# KiCad board ergo56.kicad_pcb
date: 2024-01-04; rev: 0.2; company: github.com/LDAB
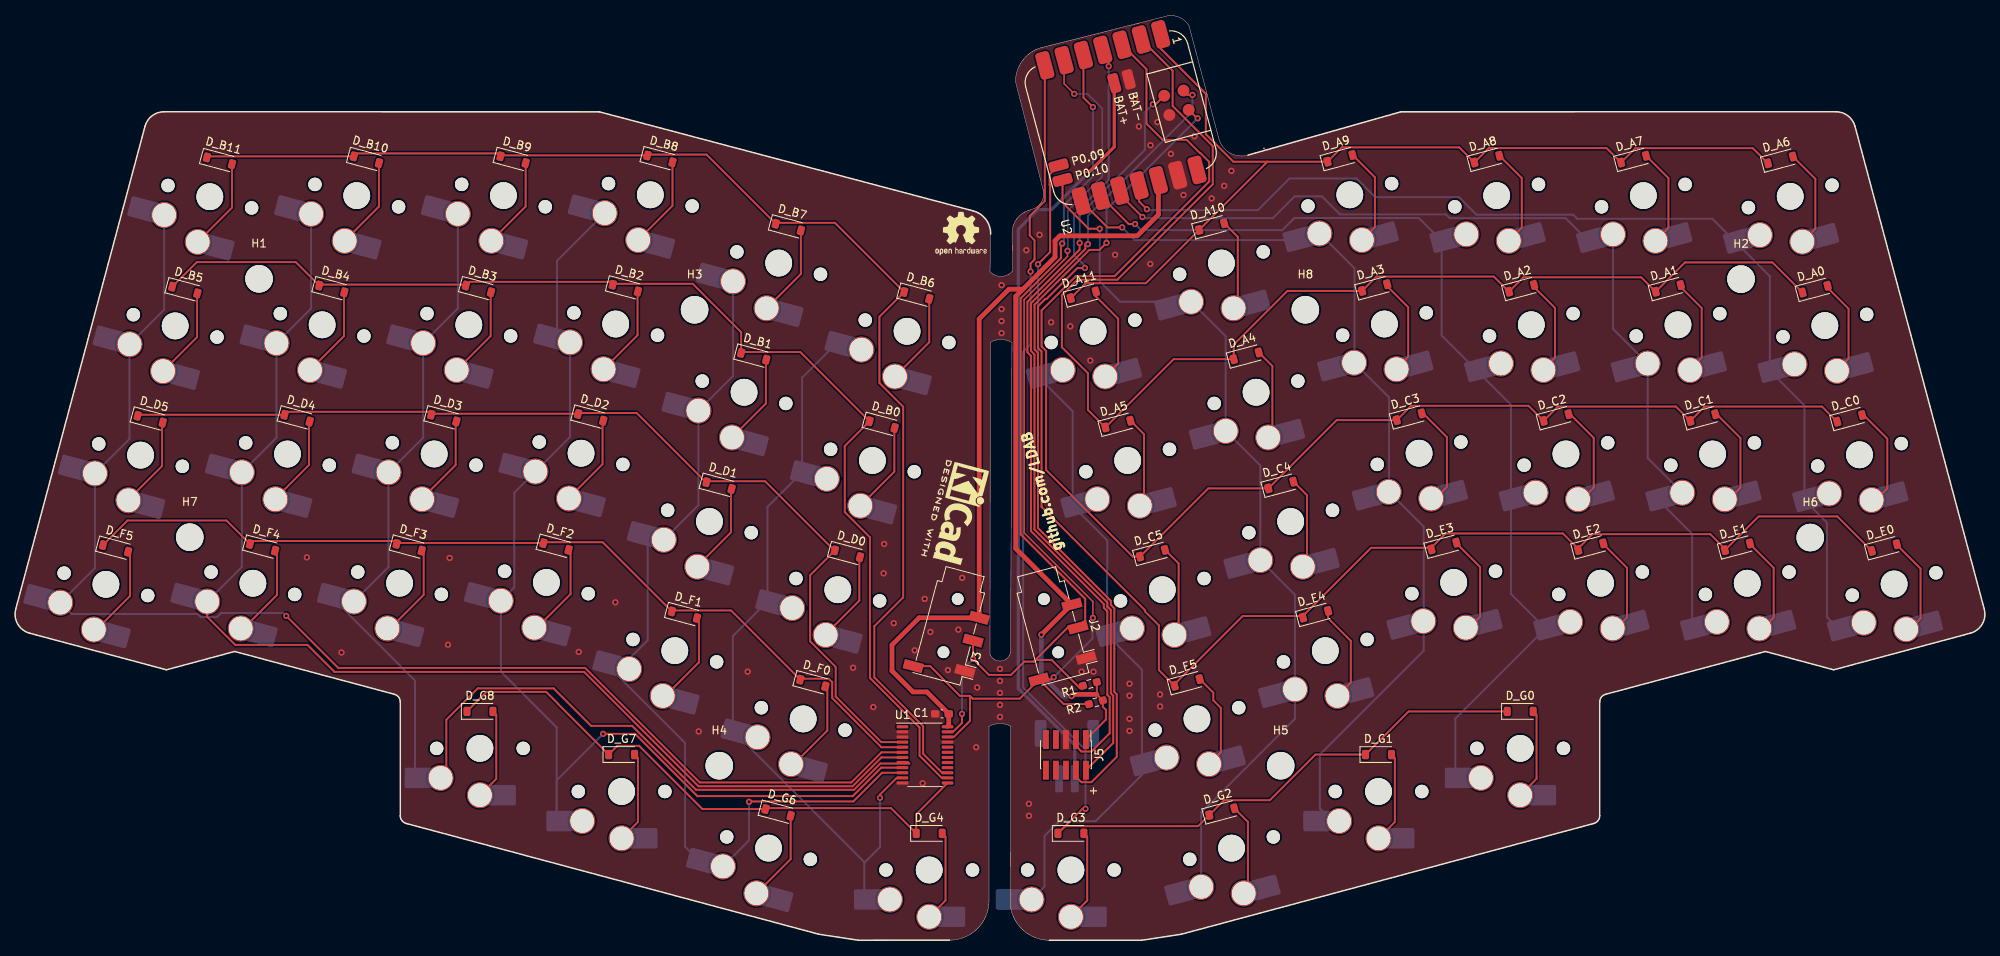
[diagram p0: board, top side]
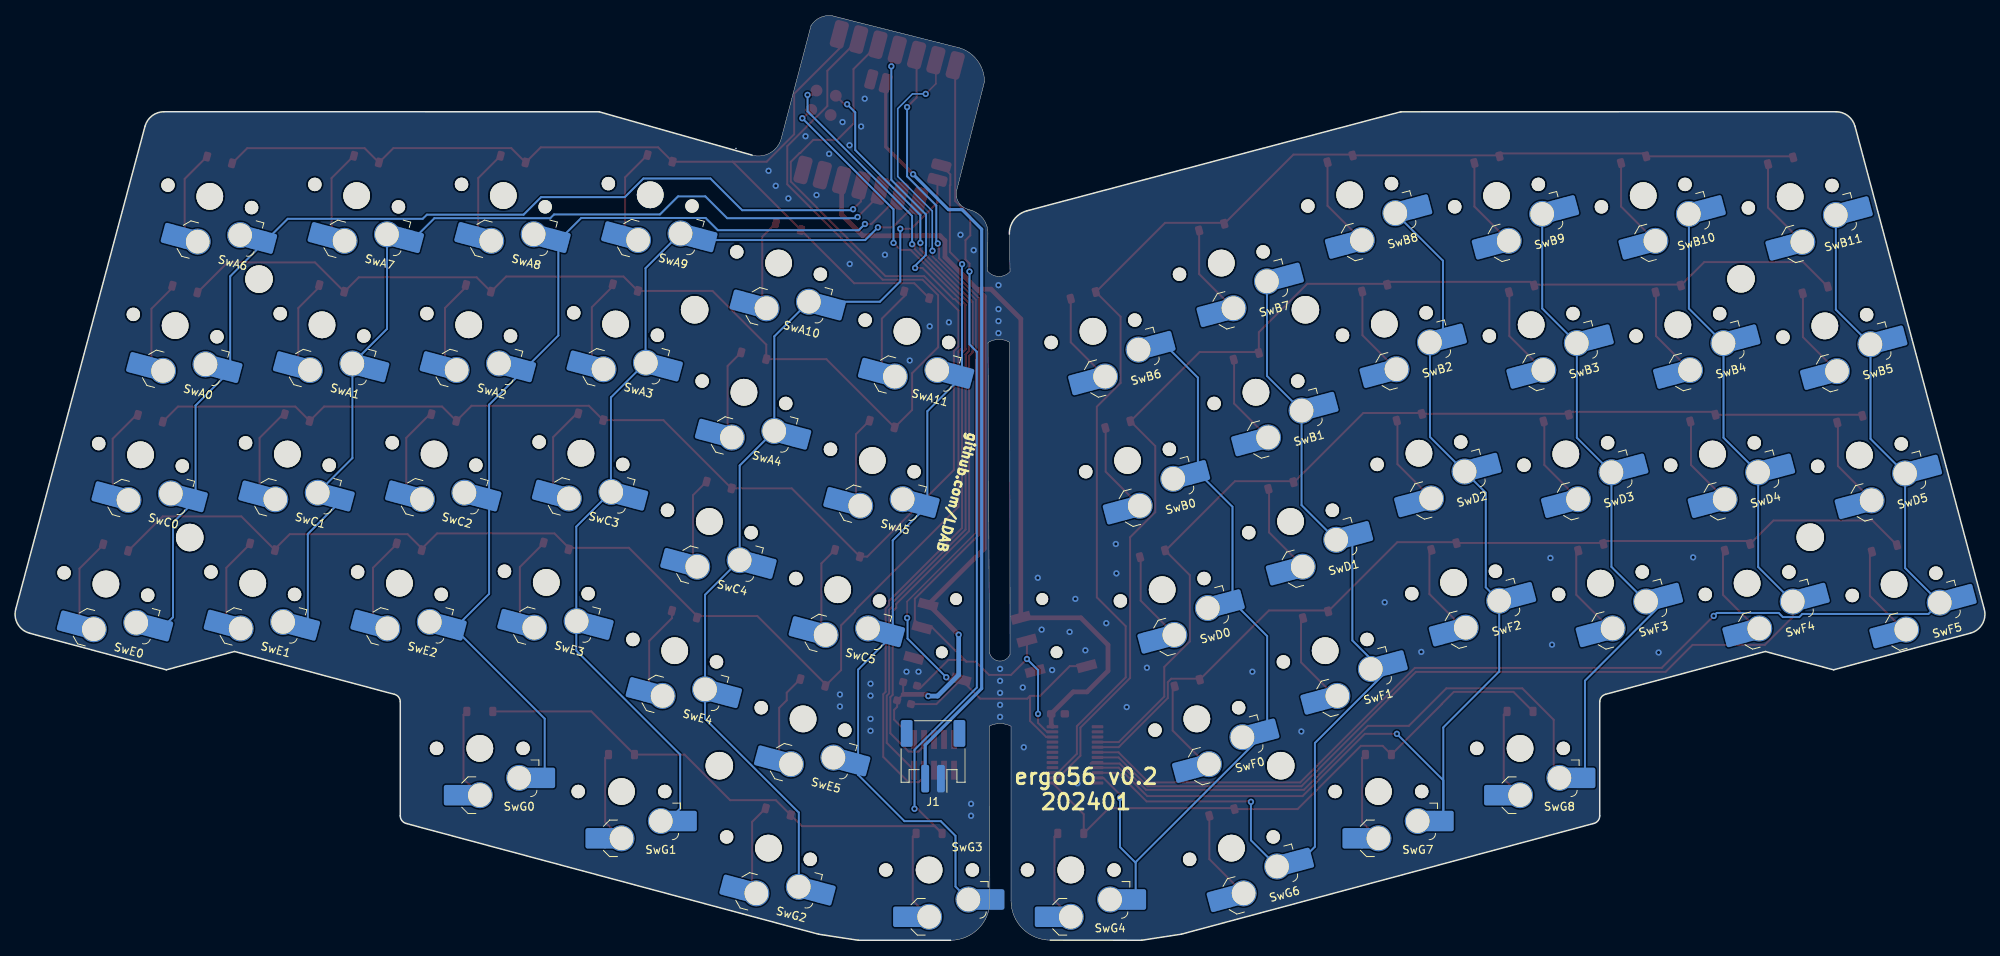
[diagram p1: board, bottom side, seen from below]

Outline 250.12 x 117.5 mm; copper layers: Top, Bottom. Coordinates in mm from the lower left corner of the outline.
Outline path: 0,42.09 16.42,103.44 arc(17.32,104.78) 18.84,105.3 74.13,105.29 121.64,92.7 arc(123.26,91.61) 123.87,89.75 123.78,84.98 arc(125.22,84.37) 126.63,85.05 126.6,89.88 arc(127.17,91.67) 128.7,92.76 129.22,92.93 arc(130.36,93.86) 130.55,95.33 127.03,109.11 arc(127.93,111.81) 130.26,113.43 146.39,117.5 arc(147.92,117.27) 149.07,116.23 152.85,101.91 arc(154.26,100.07) 156.57,99.79 175.99,105.29 231.28,105.3 arc(232.8,104.78) 233.69,103.44 250.12,42.09 arc(249.87,40.19) 248.35,39.02 230.98,34.37 222.31,36.7 202,31.26 arc(201.46,30.9) 201.26,30.29 201.26,15.81 arc(201.05,15.2) 200.52,14.85 148.1,0.77 143.06,0 131.34,0 arc(127.8,1.47) 126.34,5.01 126.4,27.23 arc(125.03,27.54) 123.66,27.2 123.66,5.02 arc(122.2,1.48) 118.66,0.02 107.06,0 102.01,0.77 49.6,14.85 arc(49.06,15.2) 48.86,15.81 48.86,30.29 arc(48.65,30.9) 48.12,31.26 27.81,36.7 19.14,34.37 1.77,39.02 arc(0.25,40.19) 0,42.09 ; 123.78,36.34 123.82,75.99 arc(125.2,76.36) 126.58,75.97 126.4,36.63 arc(125.2,35.49) 123.78,36.34
Stack: Top 0.035mm / dielectric 1.51mm FR4 er 4.5 / Bottom 0.035mm

## Placement (name value [footprint] x y rotation side)
C1  100n  [C_0603_1608Metric_Pad1.08x0.95mm_HandSolder]  117.69 28.77 180 top
D_A0  ~  [D_SOD-123]  228.62 82.75 15 top
D_A1  ~  [D_SOD-123]  209.96 82.85 15 top
D_A2  ~  [D_SOD-123]  191.32 82.85 15 top
D_A3  ~  [D_SOD-123]  172.66 82.95 15 top
D_A4  ~  [D_SOD-123]  156.35 74.28 15 top
D_A5  ~  [D_SOD-123]  140.04 65.6 15 top
D_A6  ~  [D_SOD-123]  224.22 99.17 15 top
D_A7  ~  [D_SOD-123]  205.56 99.27 15 top
D_A8  ~  [D_SOD-123]  186.92 99.27 15 top
D_A9  ~  [D_SOD-123]  168.26 99.37 15 top
D_A10  ~  [D_SOD-123]  151.95 90.7 15 top
D_A11  ~  [D_SOD-123]  135.64 82.03 15 top
D_B0  ~  [D_SOD-123]  110.07 65.54 345 top
D_B1  ~  [D_SOD-123]  93.76 74.21 345 top
D_B2  ~  [D_SOD-123]  77.45 82.88 345 top
D_B3  ~  [D_SOD-123]  58.79 82.79 345 top
D_B4  ~  [D_SOD-123]  40.15 82.78 345 top
D_B5  ~  [D_SOD-123]  21.48 82.64 345 top
D_B6  ~  [D_SOD-123]  114.47 81.96 345 top
D_B7  ~  [D_SOD-123]  98.16 90.63 345 top
D_B8  ~  [D_SOD-123]  81.85 99.3 345 top
D_B9  ~  [D_SOD-123]  63.19 99.21 345 top
D_B10  ~  [D_SOD-123]  44.55 99.2 345 top
D_B11  ~  [D_SOD-123]  25.88 99.06 345 top
D_C0  ~  [D_SOD-123]  233.02 66.33 15 top
D_C1  ~  [D_SOD-123]  214.36 66.43 15 top
D_C2  ~  [D_SOD-123]  195.72 66.43 15 top
D_C3  ~  [D_SOD-123]  177.06 66.53 15 top
D_C4  ~  [D_SOD-123]  160.75 57.86 15 top
D_C5  ~  [D_SOD-123]  144.44 49.18 15 top
D_D0  ~  [D_SOD-123]  105.67 49.12 345 top
D_D1  ~  [D_SOD-123]  89.36 57.79 345 top
D_D2  ~  [D_SOD-123]  73.05 66.46 345 top
D_D3  ~  [D_SOD-123]  54.39 66.37 345 top
D_D4  ~  [D_SOD-123]  35.75 66.36 345 top
D_D5  ~  [D_SOD-123]  17.08 66.22 345 top
D_E0  ~  [D_SOD-123]  237.42 49.91 15 top
D_E1  ~  [D_SOD-123]  218.76 50.01 15 top
D_E2  ~  [D_SOD-123]  200.12 50.01 15 top
D_E3  ~  [D_SOD-123]  181.46 50.11 15 top
D_E4  ~  [D_SOD-123]  165.15 41.44 15 top
D_E5  ~  [D_SOD-123]  148.84 32.76 15 top
D_F0  ~  [D_SOD-123]  101.27 32.7 345 top
D_F1  ~  [D_SOD-123]  84.96 41.37 345 top
D_F2  ~  [D_SOD-123]  68.65 50.04 345 top
D_F3  ~  [D_SOD-123]  49.99 49.95 345 top
D_F4  ~  [D_SOD-123]  31.35 49.94 345 top
D_F5  ~  [D_SOD-123]  12.68 49.8 345 top
D_G0  ~  [D_SOD-123]  191.15 29.08 0 top
D_G1  ~  [D_SOD-123]  173.15 23.6 0 top
D_G2  ~  [D_SOD-123]  153.24 16.34 15 top
D_G3  ~  [D_SOD-123]  134.07 13.58 0 top
D_G4  ~  [D_SOD-123]  116.07 13.58 0 top
D_G6  ~  [D_SOD-123]  96.87 16.24 345 top
D_G7  ~  [D_SOD-123]  76.98 23.6 0 top
D_G8  ~  [D_SOD-123]  58.98 29.08 0 top
H1  MountingHole  [MountingHole_3.5mm]  30.91 84.06 0 top
H2  MountingHole  [MountingHole_3.5mm]  219.21 84.02 0 top
H3  MountingHole  [MountingHole_3.5mm]  86.25 80.13 0 top
H4  MountingHole  [MountingHole_3.5mm]  89.39 22.18 0 top
H5  MountingHole  [MountingHole_3.5mm]  160.72 22.18 0 top
H6  MountingHole  [MountingHole_3.5mm]  228.01 51.18 0 top
H7  MountingHole  [MountingHole_3.5mm]  22.11 51.22 0 top
H8  MountingHole  [MountingHole_3.5mm]  163.85 80.13 0 top
J1  BAT  [JST_PH_S2B-PH-SM4-TB_1x02-1MP_P2.00mm_Horizontal]  133.56 23.39 0 bottom
J2  AudioJack3_Ground  [Jack_3.5mm_PJ320D_Horizontal]  131.88 38.74 285 top
J3  AudioJack3_Ground  [Jack_3.5mm_PJ320D_Horizontal]  118.45 38.76 255 top
J5  Conn_ARM_SWD  [PinHeader_2x05_P1.27mm_Vertical_SMD]  133.44 23.56 270 top
R1  10K  [R_0603_1608Metric_Pad0.98x0.95mm_HandSolder]  136.48 32.58 195 top
R2  10K  [R_0603_1608Metric_Pad0.98x0.95mm_HandSolder]  137.25 30.25 195 top
REF**  -  [KiCad-Logo2_5mm_SilkScreen]  119.54 54.24 255 top
REF**#2  -  [OSHW-Logo2_7.3x6mm_SilkScreen]  120.1 89.81 0 top
SwA0  SW_Push  [SW_choc_v1_HS_1u]  229.86 78.12 195 bottom
SwA1  SW_Push  [SW_choc_v1_HS_1u]  211.2 78.21 195 bottom
SwA2  SW_Push  [SW_choc_v1_HS_1u]  192.56 78.22 195 bottom
SwA3  SW_Push  [SW_choc_v1_HS_1u]  173.9 78.32 195 bottom
SwA4  SW_Push  [SW_choc_v1_HS_1u]  157.59 69.64 195 bottom
SwA5  SW_Push  [SW_choc_v1_HS_1u]  141.28 60.97 195 bottom
SwA6  SW_Push  [SW_choc_v1_HS_1u]  225.46 94.54 195 bottom
SwA7  SW_Push  [SW_choc_v1_HS_1u]  206.8 94.64 195 bottom
SwA8  SW_Push  [SW_choc_v1_HS_1u]  188.16 94.64 195 bottom
SwA9  SW_Push  [SW_choc_v1_HS_1u]  169.5 94.74 195 bottom
SwA10  SW_Push  [SW_choc_v1_HS_1u]  153.19 86.07 195 bottom
SwA11  SW_Push  [SW_choc_v1_HS_1u]  136.88 77.39 195 bottom
SwB0  SW_Push  [SW_choc_v1_HS_1u]  108.85 60.97 165 bottom
SwB1  SW_Push  [SW_choc_v1_HS_1u]  92.54 69.64 165 bottom
SwB2  SW_Push  [SW_choc_v1_HS_1u]  76.23 78.32 165 bottom
SwB3  SW_Push  [SW_choc_v1_HS_1u]  57.57 78.22 165 bottom
SwB4  SW_Push  [SW_choc_v1_HS_1u]  38.93 78.21 165 bottom
SwB5  SW_Push  [SW_choc_v1_HS_1u]  20.26 78.08 165 bottom
SwB6  SW_Push  [SW_choc_v1_HS_1u]  113.25 77.39 165 bottom
SwB7  SW_Push  [SW_choc_v1_HS_1u]  96.94 86.07 165 bottom
SwB8  SW_Push  [SW_choc_v1_HS_1u]  80.63 94.74 165 bottom
SwB9  SW_Push  [SW_choc_v1_HS_1u]  61.97 94.64 165 bottom
SwB10  SW_Push  [SW_choc_v1_HS_1u]  43.33 94.64 165 bottom
SwB11  SW_Push  [SW_choc_v1_HS_1u]  24.66 94.5 165 bottom
SwC0  SW_Push  [SW_choc_v1_HS_1u]  234.26 61.7 195 bottom
SwC1  SW_Push  [SW_choc_v1_HS_1u]  215.6 61.79 195 bottom
SwC2  SW_Push  [SW_choc_v1_HS_1u]  196.96 61.8 195 bottom
SwC3  SW_Push  [SW_choc_v1_HS_1u]  178.3 61.9 195 bottom
SwC4  SW_Push  [SW_choc_v1_HS_1u]  161.99 53.22 195 bottom
SwC5  SW_Push  [SW_choc_v1_HS_1u]  145.68 44.55 195 bottom
SwD0  SW_Push  [SW_choc_v1_HS_1u]  104.45 44.55 165 bottom
SwD1  SW_Push  [SW_choc_v1_HS_1u]  88.14 53.22 165 bottom
SwD2  SW_Push  [SW_choc_v1_HS_1u]  71.83 61.9 165 bottom
SwD3  SW_Push  [SW_choc_v1_HS_1u]  53.17 61.8 165 bottom
SwD4  SW_Push  [SW_choc_v1_HS_1u]  34.53 61.79 165 bottom
SwD5  SW_Push  [SW_choc_v1_HS_1u]  15.86 61.66 165 bottom
SwE0  SW_Push  [SW_choc_v1_HS_1u]  238.66 45.28 195 bottom
SwE1  SW_Push  [SW_choc_v1_HS_1u]  220 45.37 195 bottom
SwE2  SW_Push  [SW_choc_v1_HS_1u]  201.36 45.38 195 bottom
SwE3  SW_Push  [SW_choc_v1_HS_1u]  182.7 45.48 195 bottom
SwE4  SW_Push  [SW_choc_v1_HS_1u]  166.39 36.8 195 bottom
SwE5  SW_Push  [SW_choc_v1_HS_1u]  150.08 28.13 195 bottom
SwF0  SW_Push  [SW_choc_v1_HS_1u]  100.05 28.13 165 bottom
SwF1  SW_Push  [SW_choc_v1_HS_1u]  83.74 36.8 165 bottom
SwF2  SW_Push  [SW_choc_v1_HS_1u]  67.43 45.48 165 bottom
SwF3  SW_Push  [SW_choc_v1_HS_1u]  48.77 45.38 165 bottom
SwF4  SW_Push  [SW_choc_v1_HS_1u]  30.13 45.37 165 bottom
SwF5  SW_Push  [SW_choc_v1_HS_1u]  11.46 45.24 165 bottom
SwG0  SW_Push  [SW_choc_v1_HS_1u]  191.15 24.39 180 bottom
SwG1  SW_Push  [SW_choc_v1_HS_1u]  173.15 18.91 180 bottom
SwG2  SW_Push  [SW_choc_v1_HS_1u]  154.48 11.71 195 bottom
SwG3  SW_Push  [SW_choc_v1_HS_1u]  134.07 8.93 180 bottom
SwG4  SW_Push  [SW_choc_v1_HS_1u]  116.07 8.93 180 bottom
SwG6  SW_Push  [SW_choc_v1_HS_1u]  95.65 11.71 165 bottom
SwG7  SW_Push  [SW_choc_v1_HS_1u]  76.98 18.91 180 bottom
SwG8  SW_Push  [SW_choc_v1_HS_1u]  58.98 24.39 180 bottom
U1  PCA9555PW  [TSSOP-24_4.4x7.8mm_P0.65mm]  115.53 23.56 0 top
U2  Seeeduino Xiao nRF52840  [Xiao_nRF52840_AC_Reflow]  140.42 104.54 285 top

## Library data of the parts
C1 = -: Description: Unpolarized capacitor, small symbol
D_A0-D_A11 D_B0-D_B11 D_C0-D_C5 D_D0-D_D5 D_E0-D_E5 D_F0-D_F5 D_G0-D_G4 D_G6-D_G8 = -: Description: 75V 0.15A Fast Switching Diode, SOD-123; Sim.Device: D; Sim.Pins: 1=K 2=A
H1-H8 = -: Description: Mounting Hole without connection
J1 = -: Description: Generic connector, single row, 01x02, script generated (kicad-library-utils/schlib/autogen/connector/)
J2 J3 = -: Description: Audio Jack, 3 Poles (Stereo / TRS), Grounded Sleeve
J5 = -: Description: Tag-Connect ARM Cortex SWD JTAG connector, 6 pin
R1 R2 = -: Description: Resistor, small symbol
SwA0-SwA11 SwB0-SwB11 SwC0-SwC5 SwD0-SwD5 SwE0-SwE5 SwF0-SwF5 SwG0-SwG4 SwG6-SwG8 = -: Description: Push button switch, generic, two pins
U1 = -: Description: IO expander 16 GPIO, I2C 400kHz, Interrupt, 2.3 - 5.5V, TSSOP-24
U2 = -: Description: Symbol for a Seeeduino Xiao nRF52840

## Footprints (pads in the part's own frame, mm; a bottom-side part is the same pattern mirrored in y, then rotated)
C_0603_1608Metric_Pad1.08x0.95mm_HandSolder
  rrect 1.075x0.95 smd: 1(-0.863,0) 2(0.863,0)
D_SOD-123
  rrect 0.9x1.2 smd: 1(-1.65,0) 2(1.65,0)
Jack_3.5mm_PJ320D_Horizontal
  round 1.5 hole 1.5 unplated: (-4.775,0) (2.225,0)
  rect 1.2x2.5 smd: G(-3.175,3.25) R(-0.175,3.25) S(4.925,-3.25) T(3.825,3.25)
JST_PH_S2B-PH-SM4-TB_1x02-1MP_P2.00mm_Horizontal
  rrect 1x3.5 smd: 1(-1,2.85) 2(1,2.85)
  rrect 1.5x3.4 smd: MP(-3.35,-2.9) MP(3.35,-2.9)
MountingHole_3.5mm
  round 3.5 hole 3.5 unplated: (0,0)
PinHeader_2x05_P1.27mm_Vertical_SMD
  rect 2.4x0.74 smd: 1(-1.95,2.54) 2(1.95,2.54) 3(-1.95,1.27) 4(1.95,1.27) 5(-1.95,0) 6(1.95,0) 7(-1.95,-1.27) 8(1.95,-1.27) 9(-1.95,-2.54) 10(1.95,-2.54)
R_0603_1608Metric_Pad0.98x0.95mm_HandSolder
  rrect 0.975x0.95 smd: 1(-0.912,0) 2(0.912,0)
SW_choc_v1_HS_1u
  round 1.7 hole 1.7 unplated: (-5.5,0) (5.5,0)
  round 3.4 hole 3.4 unplated: (0,0)
  round 3.3 hole 3: 1(5,-3.75) 2(0,-5.95)
  rect 1.2x2.6 smd: 1(6.55,-3.75) 2(-1.55,-5.95)
  rrect 2.65x2.6 smd: 1(8.245,-3.75) 2(-3.245,-5.95)
TSSOP-24_4.4x7.8mm_P0.65mm
  rrect 1.475x0.4 smd: 1(-2.862,3.575) 2(-2.862,2.925) 3(-2.862,2.275) 4(-2.862,1.625) 5(-2.862,0.975) 6(-2.862,0.325) 7(-2.862,-0.325) 8(-2.862,-0.975) 9(-2.862,-1.625) 10(-2.862,-2.275) 11(-2.862,-2.925) 12(-2.862,-3.575) 13(2.862,-3.575) 14(2.862,-2.925) 15(2.862,-2.275) 16(2.862,-1.625) 17(2.862,-0.975) 18(2.862,-0.325) 19(2.862,0.325) 20(2.862,0.975) 21(2.862,1.625) 22(2.862,2.275) 23(2.862,2.925) 24(2.862,3.575)
Xiao_nRF52840_AC_Reflow
  rrect 3.5x1.8 smd: 1(-8.92,7.62) 2(-8.92,5.08) 3(-8.92,2.54) 4(-8.92,0) 5(-8.92,-2.54) 6(-8.92,-5.08) 7(-8.92,-7.62) 8(8.92,7.62) 9(8.92,5.08) 10(8.92,2.54) 11(8.92,0) 12(8.92,-2.54) 13(8.92,-5.08) 14(8.92,-7.62)
  rrect 2.5x1.35 smd: 15(-4.445,2.223) 16(-4.445,0.318)
  rrect 1.35x2.5 smd: 17(3.81,-9.207) 18(5.715,-9.207)
  round 1.5 smd: 19(-1.27,8.572) 20(1.27,8.572) 21(-1.27,6.032) 22(1.27,6.032)

## Nets
+3V3: C1.1 J2.G J3.G J5.1 R1.1 R2.1 U1.24 U2.10
GND: C1.2 J1.1 J2.T J3.T J5.5 U1.2 U1.3 U1.12 U1.21 U2.9 U2.15 U2.22
VBUS: U2.8
BAT: J1.2 U2.16
col0: SwA0.1 SwA6.1 SwC0.1 SwE0.1 U2.11
col1: SwA1.1 SwA7.1 SwC1.1 SwE1.1 U2.12
col2: SwA2.1 SwA8.1 SwC2.1 SwE2.1 SwG0.1 U2.13
col3: SwA3.1 SwA9.1 SwC3.1 SwE3.1 SwG1.1 U2.14
col4: SwA4.1 SwA10.1 SwC4.1 SwE4.1 SwG2.1 U2.18
col5: SwA5.1 SwA11.1 SwC5.1 SwE5.1 SwG3.1 U2.17
col6: SwB0.1 SwB6.1 SwD0.1 SwF0.1 SwG4.1 U1.11
col7: SwB1.1 SwB7.1 SwD1.1 SwF1.1 SwG6.1 U1.10
col8: SwB2.1 SwB8.1 SwD2.1 SwF2.1 SwG7.1 U1.9
col9: SwB3.1 SwB9.1 SwD3.1 SwF3.1 SwG8.1 U1.8
col10: SwB4.1 SwB10.1 SwD4.1 SwF4.1 U1.7
col11: SwB5.1 SwB11.1 SwD5.1 SwF5.1 U1.6
row0: D_A6.1 D_A7.1 D_A8.1 D_A9.1 D_A10.1 D_A11.1 U2.1
row1: D_A0.1 D_A1.1 D_A2.1 D_A3.1 D_A4.1 D_A5.1 U2.2
row2: D_C0.1 D_C1.1 D_C2.1 D_C3.1 D_C4.1 D_C5.1 U2.3
row3: D_E0.1 D_E1.1 D_E2.1 D_E3.1 D_E4.1 D_E5.1 U2.4
row4: D_G0.1 D_G1.1 D_G2.1 D_G3.1 U2.7
row5: D_B6.1 D_B7.1 D_B8.1 D_B9.1 D_B10.1 D_B11.1 U1.15
row6: D_B0.1 D_B1.1 D_B2.1 D_B3.1 D_B4.1 D_B5.1 U1.14
row7: D_D0.1 D_D1.1 D_D2.1 D_D3.1 D_D4.1 D_D5.1 U1.4
row8: D_F0.1 D_F1.1 D_F2.1 D_F3.1 D_F4.1 D_F5.1 U1.5
row9: D_G4.1 D_G6.1 D_G7.1 D_G8.1 U1.13
RST: J5.3 U2.21
SCL: J2.S J3.S R2.2 U1.22 U2.6
SDA: J2.R J3.R R1.2 U1.23 U2.5
SWDCLK: J5.4 U2.20
SWDIO: J5.2 U2.19
Net-(D_A0-A): D_A0.2 SwA0.2
Net-(D_A1-A): D_A1.2 SwA1.2
Net-(D_A2-A): D_A2.2 SwA2.2
Net-(D_A3-A): D_A3.2 SwA3.2
Net-(D_A4-A): D_A4.2 SwA4.2
Net-(D_A5-A): D_A5.2 SwA5.2
Net-(D_A6-A): D_A6.2 SwA6.2
Net-(D_A7-A): D_A7.2 SwA7.2
Net-(D_A8-A): D_A8.2 SwA8.2
Net-(D_A9-A): D_A9.2 SwA9.2
Net-(D_A10-A): D_A10.2 SwA10.2
Net-(D_A11-A): D_A11.2 SwA11.2
Net-(D_B0-A): D_B0.2 SwB0.2
Net-(D_B1-A): D_B1.2 SwB1.2
Net-(D_B2-A): D_B2.2 SwB2.2
Net-(D_B3-A): D_B3.2 SwB3.2
Net-(D_B4-A): D_B4.2 SwB4.2
Net-(D_B5-A): D_B5.2 SwB5.2
Net-(D_B6-A): D_B6.2 SwB6.2
Net-(D_B7-A): D_B7.2 SwB7.2
Net-(D_B8-A): D_B8.2 SwB8.2
Net-(D_B9-A): D_B9.2 SwB9.2
Net-(D_B10-A): D_B10.2 SwB10.2
Net-(D_B11-A): D_B11.2 SwB11.2
Net-(D_C0-A): D_C0.2 SwC0.2
Net-(D_C1-A): D_C1.2 SwC1.2
Net-(D_C2-A): D_C2.2 SwC2.2
Net-(D_C3-A): D_C3.2 SwC3.2
Net-(D_C4-A): D_C4.2 SwC4.2
Net-(D_C5-A): D_C5.2 SwC5.2
Net-(D_D0-A): D_D0.2 SwD0.2
Net-(D_D1-A): D_D1.2 SwD1.2
Net-(D_D2-A): D_D2.2 SwD2.2
Net-(D_D3-A): D_D3.2 SwD3.2
Net-(D_D4-A): D_D4.2 SwD4.2
Net-(D_D5-A): D_D5.2 SwD5.2
Net-(D_E0-A): D_E0.2 SwE0.2
Net-(D_E1-A): D_E1.2 SwE1.2
Net-(D_E2-A): D_E2.2 SwE2.2
Net-(D_E3-A): D_E3.2 SwE3.2
Net-(D_E4-A): D_E4.2 SwE4.2
Net-(D_E5-A): D_E5.2 SwE5.2
Net-(D_F0-A): D_F0.2 SwF0.2
Net-(D_F1-A): D_F1.2 SwF1.2
Net-(D_F2-A): D_F2.2 SwF2.2
Net-(D_F3-A): D_F3.2 SwF3.2
Net-(D_F4-A): D_F4.2 SwF4.2
Net-(D_F5-A): D_F5.2 SwF5.2
Net-(D_G0-A): D_G0.2 SwG0.2
Net-(D_G1-A): D_G1.2 SwG1.2
Net-(D_G2-A): D_G2.2 SwG2.2
Net-(D_G3-A): D_G3.2 SwG3.2
Net-(D_G4-A): D_G4.2 SwG4.2
Net-(D_G6-A): D_G6.2 SwG6.2
Net-(D_G7-A): D_G7.2 SwG7.2
Net-(D_G8-A): D_G8.2 SwG8.2

Pads without a net: J1 MP; J5 6 7 8 9 10; U1 1 16 17 18 19 20

## Via types
v1: diameter 0.8, hole 0.4, Top to Bottom, 89 vias

## Routing (per net, layer and track width the routed paths; a pad name or vN(x,y) marks a point on that pad's centre or on a via; arc(x,y) is an arc through that point)
+3V3: length 169.9
  Top w0.25: J5.1 138.51,28.05 138.51,29.28 138.13,29.67 R2.1 137.36,31.25 R1.1
  Top w0.6: 127.97,82.75 127.06,81.83 127.06,49.79 J2.G 134.13,42.65 v1(130.31,38.83) ; 127.97,82.75 132.05,86.83 132.05,88.91 132.67,89.53 142.5,89.53 145.18,92.21 U2.10 ; 127.97,82.75 126.19,82.75 122.41,78.97 J3.G 114.78,40.98 111.34,37.54 111.34,34.23 114,31.57 115.75,31.57 C1.1 118.55,27.34 118.39,27.19 ; v1(134.17,31.03) 134.39,31.25 137.36,31.25
  Bottom w0.6: v1(134.17,31.03) 133,31.03 130.31,33.72 v1(130.31,38.83)
GND:
  vias: v1(36.99,48.66) v1(41.38,36.57) v1(54.92,37.56) v1(55.12,48.59) v1(71.53,36.65) v1(76.18,42.95) v1(86.77,26.54) v1(93,34.13) v1(106.4,34.64) v1(108.97,29.64) v1(110.34,50.36) v1(110.27,46.63) v1(111.56,40.3) v1(114.22,36.85) v1(115.23,19.95) v1(115.49,43.39) v1(116.22,39.19) v1(118.44,34.34) v1(119.77,39.48) v1(120.26,46.07) v1(122.04,24.53) v1(122.17,32.13) v1(125.05,34.49) v1(125.05,32.96) v1(125.05,31.44) v1(125.05,29.92) v1(125.05,28.39) v1(125.25,83.26) v1(125.25,80.21) v1(125.25,78.68) v1(125.25,77.16) v1(128.4,87.7) v1(128.73,17.34) v1(128.73,15.82) v1(130.08,89.66) v1(131.55,78.53) v1(133.99,78.02) v1(135.41,34.13) v1(136.53,73.68) v1(136.94,34.13) v1(139.68,87.12) v1(141.51,32.61) v1(141.51,31.08) v1(141.51,28.14) v1(141.51,26.61) v1(142.25,106.95) v1(142.7,103.42) v1(144.15,85.95) v1(144.18,101.04) v1(145.07,103.98) v1(145.4,31.24) v1(145.4,29.71) v1(146.77,99.94) v1(148.37,94.71) v1(149.77,102.18) v1(151.95,94.28) v1(153.55,95.88) v1(154.46,97.79)
BAT: length 97.4
  Top w0.4: v1(136.1,97.35) 139.58,100.83 U2.16
  Bottom w0.4: v1(136.1,97.35) 131.6,92.86 129.88,92.86 127.39,90.37 127.39,31.99 134.56,24.82 J1.2
col0: length 138
  Top w0.25: v1(143.72,92.91) 142.73,93.9 U2.11
  Bottom w0.25: SwE0.1 230.13,41.05 230.13,53.07 SwC0.1 227.27,67.96 SwA0.1 222.87,84.38 SwA6.1 215.56,91.69 198.4,91.69 197.88,92.22 185.59,92.22 183.36,94.44 172.73,94.44 170.36,96.81 161.85,96.81 157.82,92.78 143.85,92.78 v1(143.72,92.91)
col1: length 119.5
  Top w0.25: U2.12 140.28,94.8 v1(143.16,91.92)
  Bottom w0.25: v1(143.16,91.92) 143.31,91.77 159.72,91.77 162.5,94.54 165.96,94.54 168.26,92.25 181.72,92.25 182.2,91.77 196.92,91.77 SwA7.1 ; SwA7.1 202.94,77.7 SwA1.1 207.34,61.28 SwC1.1 ; SwE1.1 213.01,51.64 SwC1.1
col2: length 125.5
  Top w0.25: v1(142.22,91.03) 141.41,91.03 U2.13
  Bottom w0.25: v1(142.22,91.03) 143.01,90.24 160.91,90.24 162.47,91.8 178.26,91.8 SwA8.1 181.17,76.86 SwA2.1 189.97,68.07 SwC2.1 189.97,44.02 SwE2.1 182.91,28.16 SwG0.1
col3: length 115
  Top w0.25: U2.14 138.73,90.6 v1(140.57,90.6)
  Bottom w0.25: v1(140.57,90.6) 142.19,88.98 SwA9.1 ; 165.69,89.81 170.09,85.41 170.09,73.39 174.49,68.99 174.49,56.97 178.89,52.57 178.89,36.8 165.69,23.6 165.69,16.74 166.98,15.46
col4: length 113.1
  Top w0.25: v1(137.73,90.43) 136.33,90.43 133.01,93.74 U2.18
  Bottom w0.25: v1(137.73,90.43) 137.73,83.74 140.32,81.15 SwA10.1 153.73,76.75 SwA4.1 158.13,60.33 SwC4.1 162.53,43.91 SwE4.1 162.53,28.14 150.62,16.23 SwG2.1
col5: length 108.4
  Top w0.25: U2.17 131.37,97.34 131.37,95.98 131.43,95.92 131.43,87.47 v1(129.88,85.92)
  Bottom w0.25: v1(129.88,85.92) 129.89,85.91 SwA11.1 134.29,67.24 SwA5.1 138.69,50.82 SwC5.1 143.09,34.39 SwE5.1 143.09,21.03 137.19,15.13 132.58,15.13 130.72,13.27 130.72,6.83 SwG3.1
col6: length 97.2
  Top w0.25: v1(109.81,18.11) 109.81,18.52 111.93,20.64 U1.11
  Bottom w0.25: 107.82,9.85 109.81,11.84 v1(109.81,18.11) ; 107.82,9.85 SwG4.1 ; 107.82,9.85 107.82,9.94 SwF0.1 91.12,38.66 SwD0.1 95.52,55.08 SwB0.1 99.92,71.5 SwB6.1 ; 94.83,25.22 SwF0.1
col7: length 117.8
  Top w0.25: U1.10 110.07,21.29 106.43,17.64 93.22,17.64 v1(93.17,17.6)
  Bottom w0.25: v1(93.17,17.6) 93.17,12.71 SwG6.1 ; SwB7.1 91.14,71.72 SwB1.1 86.74,55.3 SwD1.1 ; SwD1.1 80.29,50.65 80.29,38.1 77.5,35.31 SwF1.1 85.05,25.07 85.05,11.89 SwG6.1
col8: length 143.4
  Top w0.25: v1(74.63,26.23) 78.7,26.23 86.61,18.32 106.35,18.32 109.96,21.94 U1.9
  Bottom w0.25: SwB8.1 68.78,86.36 68.78,77.64 SwB2.1 70.43,63.97 SwD2.1 63.34,56.88 63.34,44.86 SwF2.1 61.63,34.16 68.73,27.05 SwG7.1 68.73,20.34 v1(74.63,26.23)
col9: length 158.3
  Top w0.25: U1.8 113.4,22.59 113.53,22.46 109.85,22.46 106.51,19.12 86.44,19.12 78.32,27.25 73.11,27.25 68.34,32.02 58.7,32.02 54.7,28.02 54.7,21.36 SwG8.1
  Bottom w0.25: SwF3.1 50.73,32.99 SwG8.1 ; SwF3.1 47.37,47.45 SwD3.1 51.77,63.87 SwB3.1 56.17,80.29 SwB9.1
col10: length 155.5
  Top w0.25: U1.7 109.99,23.24 106.32,19.57 86.76,19.57 72.22,34.11 40.49,34.11 37.07,37.54 27.89,37.54 24.33,41.09 SwF4.1
  Bottom w0.25: SwF4.1 28.73,47.44 SwD4.1 33.13,63.87 SwB4.1 37.53,80.29 SwB10.1
col11: length 173.2
  Top w0.25: v1(34.37,41.22) 40.98,34.62 72.35,34.62 86.9,20.06 106.17,20.06 110,23.89 U1.6
  Bottom w0.25: SwB11.1 18.86,80.15 SwB5.1 14.46,63.73 SwD5.1 10.06,47.31 SwF5.1 7.09,41.47 23.11,41.47 23.51,41.07 25.59,41.07 26.12,41.6 33.99,41.6 v1(34.37,41.22)
row0: length 124.7
  Top w0.25: U2.1 145.47,113.32 151.21,107.58 151.21,102.43 154.7,98.94 159.03,98.94 ; 159.03,98.94 D_A10.1 143.58,83.5 135.94,83.5 D_A11.1 ; 159.03,98.94 D_A9.1 168.49,100.77 183.4,100.77 D_A8.1 187.15,100.67 202.13,100.67 D_A7.1 205.79,100.67 220.7,100.67 D_A6.1
row1: length 169.3
  Top w0.25: U2.2 146.99,110.5 146.99,106.02 152.09,100.92 152.09,96.07 139.97,83.95 134.89,83.95 132.93,81.99 132.93,75.37 136.23,72.06 136.23,67.39 D_A5.1 147.12,73.85 D_A4.1 154.75,75.7 161.58,82.52 D_A3.1 172.89,84.35 187.8,84.35 D_A2.1 191.55,84.25 206.53,84.25 D_A1.1 212.09,86.15 223.2,86.15 D_A0.1
row2: length 189.3
  Top w0.25: U2.3 143.67,110.71 143.67,103.78 145.73,101.72 148.77,101.72 150.45,100.05 150.51,100.05 151.64,98.92 151.64,96.44 139.6,84.4 134.7,84.4 130.34,80.04 130.34,75.46 130.92,74.89 130.92,59.77 141.93,48.76 D_C5.1 151.52,57.43 D_C4.1 167.83,66.1 D_C3.1 177.29,67.93 192.2,67.93 D_C2.1 195.95,67.83 210.93,67.83 D_C1.1 214.59,67.83 229.5,67.83 D_C0.1
row3: length 196.3
  Top w0.25: v1(138.87,111.07) 138.87,112.4 U2.4 ; v1(135.85,85.44) 134.91,85.44 130.97,81.5 130.82,81.5 129.89,80.58 129.89,75.28 130.33,74.83 130.33,55.09 143.47,41.96 143.47,41.8 145.25,40.02 145.25,34.33 D_E5.1 ; 217.14,49.77 215.3,51.61 200.33,51.61 198.5,49.78 196.58,51.71 181.67,51.71 179.84,49.88 172.2,49.88 163.53,41.21 155.89,41.21 147.22,32.53 ; D_E0.1 231.44,53.87 221.45,53.87 D_E1.1
  Bottom w0.25: v1(138.87,111.07) 138.87,96.64 134.45,92.22 134.45,88.33 134.47,88.3 134.47,87.09 135.85,85.72 v1(135.85,85.44)
row4: length 167.7
  Top w0.25: v1(128.94,84.98) 128.94,86.01 129.45,86.52 129.45,88.97 128.84,89.58 128.84,92.04 130.75,93.95 U2.7 ; D_G0.1 176.98,29.08 D_G1.1 165.14,23.6 159.34,17.8 153.53,17.8 D_G2.1 150.24,14.51 133.34,14.51 D_G3.1 135.54,16.71 v1(135.92,16.71)
  Bottom w0.25: v1(135.92,16.71) 135.92,24.2 128,32.12 128,74.8 128.94,75.74 v1(128.94,84.98)
row5: length 165.8
  Top w0.25: U1.15 117.7,21.29 115.29,23.7 115.29,27.21 109.09,33.41 109.09,39.91 112.76,43.58 112.76,67.81 109.73,70.83 109.73,79.24 D_B6.1 104.09,91.18 96.69,91.18 D_B7.1 87.78,99.85 80.38,99.85 D_B8.1 80.24,99.75 61.72,99.75 D_B9.1 61.23,100 43.33,100 D_B10.1 24.43,99.63 D_B11.1
row6: length 153
  Top w0.25: D_B5.1 23.01,86.19 35.58,86.19 D_B4.1 38.68,83.33 57.08,83.33 D_B3.1 57.66,83.68 75.49,83.68 D_B2.1 75.98,83.43 86.02,83.43 92.17,77.28 D_B1.1 92.29,74.76 99.69,74.76 D_B0.1 105.33,62.82 105.33,54.41 108.53,51.21 108.53,33.33 114.84,27.02 114.84,23.45 117.65,20.64 U1.14
row7: length 128.5
  Top w0.25: 104,49.55 95.2,58.34 87.8,58.34 87.69,58.22 78.89,67.01 71.49,67.01 71.37,66.89 71.35,66.91 52.83,66.91 52.71,66.8 52.35,67.16 34.45,67.16 34.08,66.79 15.54,66.79 15.4,66.65 ; D_D0.1 100.93,46.4 100.93,37.99 104.18,34.74 104.18,30.97 109.97,25.19 U1.4
row8: length 116.7
  Top w0.25: D_F5.1 14.21,53.35 26.78,53.35 D_F4.1 30.13,50.74 48.03,50.74 D_F3.1 48.52,50.49 67.04,50.49 D_F2.1 67.18,50.59 74.58,50.59 D_F1.1 83.49,41.91 90.89,41.91 D_F0.1 99.8,33.24 103.29,33.24 103.73,32.8 103.73,30.79 109.98,24.54 U1.5
row9: length 74.7
  Top w0.25: U1.13 114.42,16.01 D_G4.1 111.21,16.79 95.39,16.79 D_G6.1 87.24,16.67 79.2,24.71 76.44,24.71 D_G7.1 68.92,30.01 68.92,30.04 67.39,31.57 59.81,31.57 D_G8.1
RST: length 99.1
  Top w0.25: U2.21 144.83,106.24 v1(144.48,106.24) ; v1(135.17,88.63) 135.17,87.77 128.54,81.14 128.54,74.72 128.98,74.28 128.98,51.99 138.24,42.73 138.24,42.25 138.69,41.8 138.69,31.19 139,30.89 139,26.31 136.67,23.99 135.4,23.99 134.71,24.68 J5.3
  Bottom w0.25: v1(144.48,106.24) 143.45,105.21 143.45,100.44 135.17,92.16 v1(135.17,88.63)
SCL: length 126.4
  Top w0.2: v1(134.5,107.56) 133.21,108.86 U2.6 ; v1(133.64,87.63) 133.64,86.91 133.2,86.48 133.19,86.48 128.12,81.41 128.12,73.77 128.13,73.76 128.13,51.78 136.86,43.05 v1(136.86,40.97)
  Top w0.25: R2.2 133.14,30.01 J2.S ; J2.S 131.61,33.14 v1(131.88,33.42) ; J2.S 127.57,30.7 121.6,30.7 121.24,31.06 ; 121.24,31.06 121.24,27.88 119.19,25.84 U1.22 ; 121.24,31.06 119.97,31.06 116.19,34.84 J3.S
  Bottom w0.2: v1(133.64,87.63) 133.66,87.65 133.66,92.68 138.06,97.07 138.06,105.68 136.18,107.56 v1(134.5,107.56)
  Bottom w0.25: v1(136.86,40.97) 136.8,40.91 136.8,38.34 v1(131.88,33.42)
SDA: length 118.8
  Top w0.25: 135.71,32.04 135.2,32.04 131.61,35.63 129.55,35.63 129.33,35.41 ; 129.33,35.41 133.68,39.75 J2.R 135.88,40.66 135.88,43.39 127.68,51.59 127.68,81.57 132.8,86.69 132.8,88.38 v1(132.96,88.55) ; 129.33,35.41 128.13,35.41 126.45,33.73 123.65,33.73 v1(121.64,35.75) J3.R ; v1(120.23,28.77) 120.23,27.63 119.08,26.49 U1.23 ; v1(136.86,105.89) 135.66,107.09 U2.5
  Bottom w0.25: v1(120.23,28.77) 120.23,34.34 v1(121.64,35.75) ; v1(132.96,88.55) 133.15,88.74 133.15,93.38 136.86,97.09 v1(136.86,105.89)
SWDCLK: length 104
  Top w0.25: U2.20 150.1,104.47 v1(150.17,104.47) ; v1(138.59,88.63) 137.7,87.74 136.42,87.74 129.44,80.77 129.44,75.09 129.88,74.65 129.88,52.39 139.14,43.13 139.14,42.62 139.59,42.17 139.59,31.57 139.9,31.26 139.9,23.31 136.67,20.09 135.4,20.09 134.71,20.78 J5.4
  Bottom w0.25: v1(150.17,104.47) 138.59,92.88 v1(138.59,88.63)
SWDIO: length 101.6
  Top w0.25: U2.19 148.92,107.44 v1(149.51,107.44) ; J5.2 139.45,25.08 139.45,31.08 139.14,31.38 139.14,41.99 138.69,42.43 138.69,42.94 129.43,52.2 129.43,74.46 128.99,74.9 128.99,80.95 135.9,87.86 135.9,88.46 v1(136.23,88.46)
  Bottom w0.25: v1(136.23,88.46) 136.23,92.06 149.51,105.35 v1(149.51,107.44)
Net-(D_A0-A): length 12.7
  Top w0.25: 230.04,83.09 232.88,80.25 232.88,73.93 231.23,72.28
Net-(D_A1-A): length 12.7
  Top w0.25: 212.57,72.38 214.22,74.03 214.22,80.35 211.38,83.19
Net-(D_A2-A): length 12.7
  Top w0.25: 193.93,72.39 195.58,74.04 195.58,80.35 192.74,83.2
Net-(D_A3-A): length 12.7
  Top w0.25: 175.27,72.48 176.92,74.13 176.92,80.45 174.08,83.29
Net-(D_A4-A): length 11.7
  Top w0.25: D_A4.2 159.67,72.98 159.67,64.43 SwA4.2
Net-(D_A5-A): length 11.7
  Top w0.25: D_A5.2 143.36,64.31 143.36,55.76 SwA5.2
Net-(D_A6-A): length 12.7
  Top w0.25: D_A6.2 228.65,96.76 228.65,90.44 SwA6.2
Net-(D_A7-A): length 12.7
  Top w0.25: SwA7.2 209.99,90.54 209.99,96.85 D_A7.2
Net-(D_A8-A): length 12.7
  Top w0.25: SwA8.2 191.35,90.54 191.35,96.86 D_A8.2
Net-(D_A9-A): length 12.7
  Top w0.25: D_A9.2 172.69,96.96 172.69,90.64 SwA9.2
Net-(D_A10-A): length 11.7
  Top w0.25: D_A10.2 155.27,89.4 155.27,80.85 SwA10.2
Net-(D_A11-A): length 12.7
  Top w0.25: SwA11.2 140.07,73.3 140.07,78.99 137.23,81.83 D_A11.2
Net-(D_B0-A): length 11.7
  Top w0.25: 111.63,65.08 111.63,59.55 107.27,55.19
Net-(D_B1-A): length 11.7
  Top w0.25: 95.32,73.75 95.32,68.22 90.96,63.86
Net-(D_B2-A): length 11.7
  Top w0.25: 74.65,72.53 79.01,76.89 79.01,82.42
Net-(D_B3-A): length 11.7
  Top w0.25: 55.99,72.44 60.35,76.8 60.35,82.32
Net-(D_B4-A): length 11.7
  Top w0.25: 41.71,82.32 41.71,76.79 37.35,72.43
Net-(D_B5-A): length 11.7
  Top w0.25: 23.04,82.18 23.04,76.65 18.68,72.29
Net-(D_B6-A): length 11.7
  Top w0.25: SwB6.2 116.07,76 D_B6.2
Net-(D_B7-A): length 11.7
  Top w0.25: SwB7.2 99.76,84.68 D_B7.2
Net-(D_B8-A): length 11.7
  Top w0.25: D_B8.2 83.45,93.35 SwB8.2
Net-(D_B9-A): length 11.7
  Top w0.25: D_B9.2 64.78,93.25 SwB9.2
Net-(D_B10-A): length 11.7
  Top w0.25: D_B10.2 46.15,93.25 SwB10.2
Net-(D_B11-A): length 11.7
  Top w0.25: D_B11.2 27.48,93.11 SwB11.2
Net-(D_C0-A): length 12.7
  Top w0.25: 234.96,66.58 237.8,63.74 237.8,57.42 236.15,55.77
Net-(D_C1-A): length 12.7
  Top w0.25: 217.49,55.87 219.14,57.52 219.14,63.83 216.29,66.68
Net-(D_C2-A): length 12.7
  Top w0.25: 197.66,66.68 200.5,63.84 200.5,57.52 198.85,55.87
Net-(D_C3-A): length 12.7
  Top w0.25: 180.19,55.97 181.84,57.62 181.84,63.94 179,66.78
Net-(D_C4-A): length 11.7
  Top w0.25: D_C4.2 164.07,56.56 164.07,48.01 SwC4.2
Net-(D_C5-A): length 11.7
  Top w0.25: SwC5.2 147.76,39.34 147.76,47.89 D_C5.2
Net-(D_D0-A): length 11.7
  Top w0.25: 102.83,38.81 107.18,43.16 107.18,48.69
Net-(D_D1-A): length 11.7
  Top w0.25: 86.51,47.48 90.87,51.84 90.87,57.36
Net-(D_D2-A): length 11.7
  Top w0.25: 70.2,56.15 74.56,60.51 74.56,66.04
Net-(D_D3-A): length 11.7
  Top w0.25: 55.9,65.94 55.9,60.41 51.54,56.06
Net-(D_D4-A): length 11.7
  Top w0.25: 37.26,65.93 37.26,60.41 32.91,56.05
Net-(D_D5-A): length 11.7
  Top w0.25: 18.59,65.8 18.59,60.27 14.23,55.91
Net-(D_E0-A): length 12.7
  Top w0.25: 240.37,39.26 242.02,40.91 242.02,47.23 239.18,50.07
Net-(D_E1-A): length 12.7
  Top w0.25: 220.52,50.17 223.36,47.33 223.36,41.01 221.71,39.36
Net-(D_E2-A): length 12.7
  Top w0.25: 203.07,39.37 204.72,41.02 204.72,47.33 201.88,50.18
Net-(D_E3-A): length 12.7
  Top w0.25: 183.22,50.27 186.06,47.43 186.06,41.11 184.41,39.46
Net-(D_E4-A): length 12.7
  Top w0.25: D_E4.2 166.74,40.93 169.63,38.04 169.63,32.75 SwE4.2
Net-(D_E5-A): length 12.5
  Top w0.25: D_E5.2 152.16,31.47 152.16,30.5 153.12,29.54 153.12,23.88 SwE5.2
Net-(D_F0-A): length 11.7
  Top w0.25: 103.12,32.18 103.12,26.65 98.76,22.3
Net-(D_F1-A): length 11.7
  Top w0.25: 86.81,40.85 86.81,35.33 82.45,30.97
Net-(D_F2-A): length 11.7
  Top w0.25: 66.14,39.64 70.5,44 70.5,49.53
Net-(D_F3-A): length 11.7
  Top w0.25: 47.48,39.55 51.84,43.9 51.84,49.43
Net-(D_F4-A): length 11.7
  Top w0.25: 28.84,39.54 33.2,43.9 33.2,49.42
Net-(D_F5-A): length 11.7
  Top w0.25: 14.53,49.29 14.53,43.76 10.17,39.4
Net-(D_G0-A): length 11.7
  Top w0.25: SwG0.2 193.23,20.51 193.23,28.66 D_G0.2
Net-(D_G1-A): length 11.7
  Top w0.25: D_G1.2 175.23,23.18 175.23,15.03 SwG1.2
Net-(D_G2-A): length 11.7
  Top w0.25: D_G2.2 156.56,15.05 156.56,6.5 SwG2.2
Net-(D_G3-A): length 11.6
  Top w0.25: SwG3.2 136.14,5.06 136.14,13.16 D_G3.2
Net-(D_G4-A): length 11.6
  Top w0.25: D_G4.2 118.14,13.16 118.14,5.06 SwG4.2
Net-(D_G6-A): length 11.7
  Top w0.25: D_G6.2 98.46,10.31 SwG6.2
Net-(D_G7-A): length 11.7
  Top w0.25: SwG7.2 79.05,15.03 79.05,23.18 D_G7.2
Net-(D_G8-A): length 11.7
  Top w0.25: D_G8.2 61.05,28.66 61.05,20.51 SwG8.2

## Copper pours and planes (outline as drawn; the poured copper is in the pictures)
GND on Top, Bottom: 251.54,-1.89 -1.19,-1.89 -0.91,119.98 251.82,119.98

## Text on the board
B.Silkscreen: github.com/LDAB | ergo56 v0.2 / 202401
F.Silkscreen: + | github.com/LDAB
